# Altium PCB SOM_MCU_dual.PcbDoc (part 1 of 2) (continued)
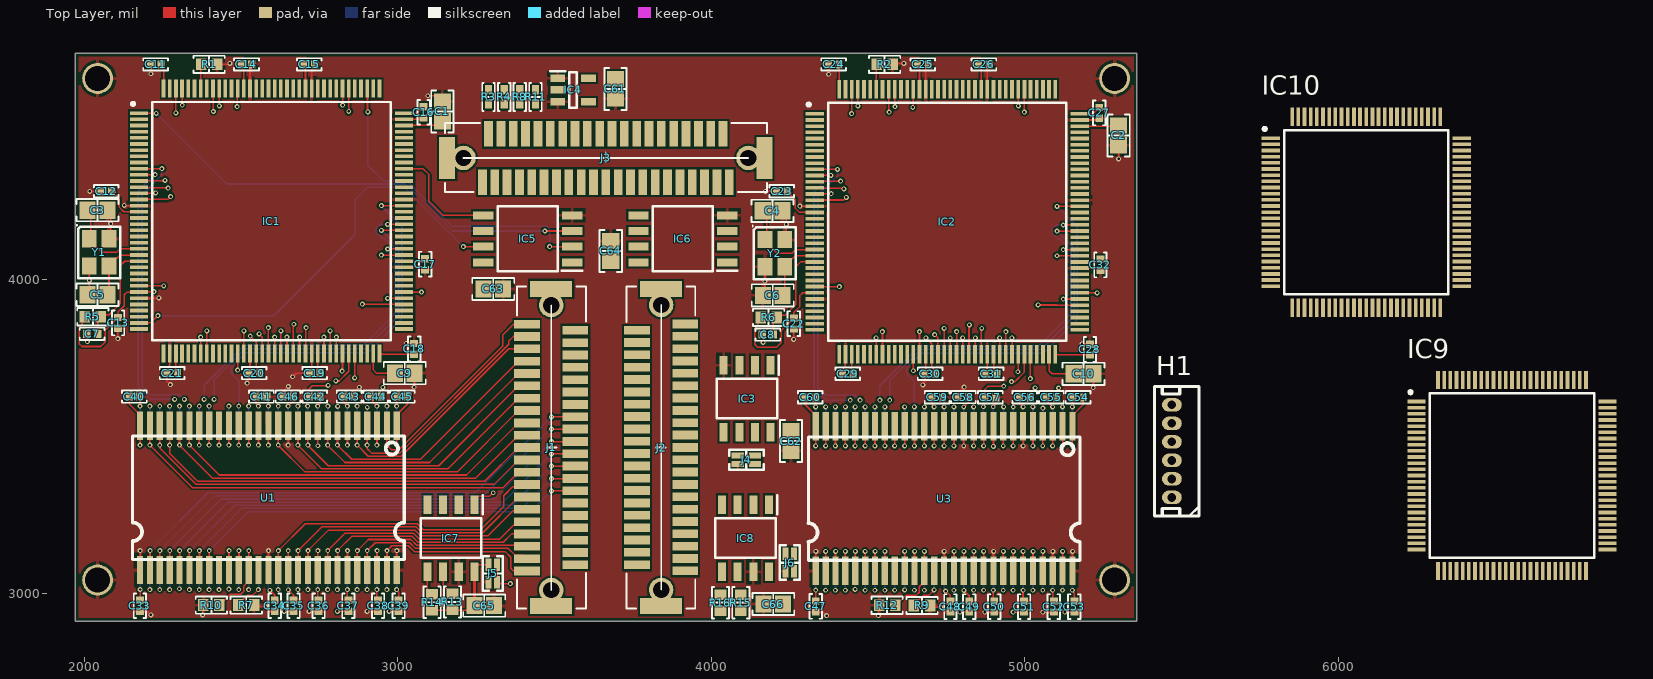
[diagram p0: Top Layer view]
## Part data
C1 C2 C9 C10: library part C0805C225K8RAC7800, "CAP CER 2.2UF 10V X7R 0805", Device Package="0805 (2012 Metric)", Manufacturer=KEMET, Operating Temperature="-55°C ~ 125°C", Supplier Part Number 1=399-C0805C225K8RAC7800CT-ND, Temperature Coefficient=X7R, Tolerance=±10%, Voltage - Rated=10V, Applications="Bypass, Decoupling", Capacitance="2.2 µF", ComponentLink1Description=Datasheet, ComponentLink1URL=https://api.kemet.com/component-edge/download/datasheet/C0805C225K8RACTU.pdf, ComponentLink2Description="DigiKey Link", ComponentLink2URL=https://www.digikey.com/en/products/detail/kemet/C0805C225K8RAC7800/789654, LastUpdated="3/27/2023 7:09:32 PM", Lifecycle Status=Active, Minimum Order=1, Mounting Type="Surface Mount, MLCC", Package / Case="0805 (2012 Metric)", Packaging=TapeAndReel, Part Number=C0805C225K8RAC7800, Part Status=Active, PartId=32363, Price=0.03, Series="SMD Comm X7R", Size / Dimension="0.079\" L x 0.049\" W (2.00mm x 1.25mm)", Supplier 1=DigiKey, Thickness (Max)="0.055\" (1.40mm)"
C3 C4 C5 C6: library part CBR08C909CAGAC, "CAP CER 9PF 250V C0G/NP0 0805", Device Package="0805 (2012 Metric)", Manufacturer=KEMET, Operating Temperature="-55°C ~ 125°C", Supplier Part Number 1=399-8711-1-ND, Temperature Coefficient="C0G, NP0", Tolerance=±0.25pF, Voltage - Rated=250V, Applications="RF, Microwave, High Frequency", Capacitance=9pF, ComponentLink1Description=Datasheet, ComponentLink1URL=https://api.kemet.com/component-edge/download/datasheet/CBR08C909CAGAC.pdf, ComponentLink2Description="DigiKey Link", ComponentLink2URL=http://digikey.com/product-detail/en/kemet/CBR08C909CAGAC/399-8711-1-ND/3480335, Features="High Q, Low Loss, Ultra Low ESR", LastUpdated="9/2/2020 1:04:31 AM", Lifecycle Status=Active, Minimum Order=1, Mounting Type="Surface Mount, MLCC", Package / Case="0805 (2012 Metric)", Packaging=TapeAndReel, Part Number=CBR08C909CAGAC, Part Status=Active, PartId=8592, Price=0.28, Series="CBR-SMD RF C0G", Size / Dimension="0.079\" L x 0.049\" W (2.00mm x 1.25mm)", Supplier 1=DigiKey, Thickness (Max)="0.035\" (0.88mm)"
C7 C8 C11 C12 C13 C14 C15 C16 C17 C18 C19 C20 C21 C22 C23 C24 C25 C26 C27 C28 C29 C30 C31 C32 C33 C34 C35 C36 C37 C38 C39 C40 C41 C42 C43 C44 C45 C46 C47 C48 C49 C50 C51 C52 C53 C54 C55 C56 C57 C58 C59 C60: library part C0402C104K4RACAUTO, "CAP CER 0.1UF 16V X7R 0402", Device Package="0402 (1005 Metric)", Manufacturer=KEMET, Operating Temperature="-55°C ~ 125°C", Ratings=AEC-Q200, Supplier Part Number 1=399-6828-1-ND, Temperature Coefficient=X7R, Tolerance=±10%, Voltage - Rated=16V, Applications="Automotive, Bypass, Decoupling", Capacitance=0.1µF, ComponentLink1Description=Datasheet, ComponentLink1URL=https://api.kemet.com/component-edge/download/specsheet/C0402C104K4RACAUTO.pdf, ComponentLink2Description="DigiKey Link", ComponentLink2URL=http://digikey.com/product-detail/en/kemet/C0402C104K4RACAUTO/399-6828-1-ND/3314343, LastUpdated="9/2/2020 1:02:21 AM", Lifecycle Status=Active, Minimum Order=1, Mounting Type="Surface Mount, MLCC", Package / Case="0402 (1005 Metric)", Packaging=TapeAndReel, Part Number=C0402C104K4RACAUTO, Part Status=Active, PartId=3024, Price=0.01, Series="SMD Auto X7R", Size / Dimension="0.039\" L x 0.020\" W (1.00mm x 0.50mm)", Supplier 1=DigiKey, Thickness (Max)="0.022\" (0.55mm)"
C61 C62 C63 C64 C65 C66: library part C0805C106K8PAC7800, "CAP CER 10UF 10V X5R 0805", Device Package="0805 (2012 Metric)", Manufacturer=KEMET, Operating Temperature="-55°C ~ 85°C", Supplier Part Number 1=399-C0805C106K8PAC7800CT-ND, Temperature Coefficient=X5R, Tolerance=±10%, Voltage - Rated=10V, Applications="Bypass, Decoupling", Capacitance="10 µF", ComponentLink1Description=Datasheet, ComponentLink1URL=https://connect.kemet.com:7667/gateway/IntelliData-ComponentDocumentation/1.0/download/datasheet/C0805C106K8PACTU, ComponentLink2Description="DigiKey Link", ComponentLink2URL=https://www.digikey.com/en/products/detail/kemet/C0805C106K8PAC7800/1090830, LastUpdated="9/19/2022 1:03:23 PM", Lifecycle Status=Active, Minimum Order=1, Mounting Type="Surface Mount, MLCC", Package / Case="0805 (2012 Metric)", Packaging=TapeAndReel, Part Number=C0805C106K8PAC7800, Part Status=Active, PartId=44790, Price=0.02, Series="SMD Comm X5R", Size / Dimension="0.079\" L x 0.049\" W (2.00mm x 1.25mm)", Supplier 1=DigiKey, Thickness (Max)="0.055\" (1.40mm)"
H1: "Pin Header p=1.5mm, 6 pins"
IC1 IC2: "Integrated Circuit", Manufacturer_Name=STMicroelectronics, Mouser Part Number=N/A, Datasheet Link=https://componentsearchengine.com/Datasheets/1/STM32H743ZIT6U.pdf, Height=1.6mm, Manufacturer_Part_Number=STM32H743ZIT6U, Mouser Price/Stock=https://www.mouser.co.uk/ProductDetail/STMicroelectronics/STM32H743ZIT6U?qs=PzGy0jfpSMtTUBlZwwPqMQ%3D%3D
IC3: "Integrated Circuit", Manufacturer_Name="Lyontek Inc.", Datasheet Link=https://datasheet.lcsc.com/szlcsc/Lyontek-Inc-LY68L6400SLIT_C261881.pdf, Height=1.75mm, Manufacturer_Part_Number=LY68L6400SLIT
IC4: "Integrated Circuit", Manufacturer_Name="Texas Instruments", Mouser Part Number=595-SN74LVC1G125DBVR, Arrow Part Number=SN74LVC1G125DBVR, Arrow Price/Stock=https://www.arrow.com/en/products/sn74lvc1g125dbvr/texas-instruments?region=nac, Datasheet Link=http://www.ti.com/lit/ds/symlink/sn74lvc1g125.pdf, Height=1.45mm, Manufacturer_Part_Number=SN74LVC1G125DBVR, Mouser Price/Stock=https://www.mouser.co.uk/ProductDetail/Texas-Instruments/SN74LVC1G125DBVR?qs=dT9u2OTAaVWCjkJK89JQQg%3D%3D
IC5 IC6: "Integrated Circuit", Manufacturer_Name=Micron, Mouser Part Number=340-182267, Arrow Part Number=N25Q128A13ESE40F, Arrow Price/Stock=https://www.arrow.com/en/products/n25q128a13ese40f/micron-technology, Datasheet Link=https://datasheet.datasheetarchive.com/originals/distributors/Datasheets-DGA23/1494983.pdf, Height=2.16mm, Manufacturer_Part_Number=N25Q128A13ESE40F, Mouser Price/Stock=https://www.mouser.co.uk/ProductDetail/Micron/N25Q128A13ESE40F?qs=taEdVNyAfdHw8xv9Y4zfpQ%3D%3D
IC7 IC8: "Integrated Circuit", Manufacturer_Name=Microchip, Mouser Part Number=556-A24C128BNSH-B, Datasheet Link=https://componentsearchengine.com/Datasheets/1/AT24C128BN-SH-B.pdf, Height=1.75mm, Manufacturer_Part_Number=AT24C128BN-SH-B, Mouser Price/Stock=https://www.mouser.co.uk/ProductDetail/Microchip-Technology-Atmel/AT24C128BN-SH-B?qs=j6lVIf5KywAfpl9r4qbAuQ%3D%3D
IC9 IC10: "Integrated Circuit", Manufacturer_Name=STMicroelectronics, Mouser Part Number=511-STM32H750VBT6, Arrow Part Number=STM32H750VBT6, Arrow Price/Stock=https://www.arrow.com/en/products/stm32h750vbt6/stmicroelectronics?region=nac, Datasheet Link=https://www.st.com/resource/en/datasheet/stm32h750vb.pdf, Height=1.6mm, Manufacturer_Part_Number=STM32H750VBT6, Mouser Price/Stock=https://www.mouser.co.uk/ProductDetail/STMicroelectronics/STM32H750VBT6?qs=%252BEew9%252B0nqrBAeuu%2FsQQSzQ%3D%3D
J1 J2 J3: "Connector", Arrow Part Number=DF9-41P-1V(32), Manufacturer_Name=Hirose, Mouser Part Number=798-DF9-41P-1V32, Arrow Price/Stock=https://www.arrow.com/en/products/df9-41p-1v-32/hirose-electric, Datasheet Link=http://componentsearchengine.com/Datasheets/1/DF9-41P-1V(32).pdf, Manufacturer_Part_Number=DF9-41P-1V(32), Mouser Price/Stock=https://www.mouser.co.uk/ProductDetail/Hirose-Connector/DF9-41P-1V32?qs=zOgoZG1CgI%252BzVCgniEkwOw%3D%3D
J4 J5 J6: library part Jumper_double, CommentText="\"Перемычка\""
R1 R2 R5 R6 R7 R9 R10 R12: library part RT0603FRE0710KL, "RES SMD 10K OHM 1% 1/10W 0603", Device Package="0603 (1608 Metric)", Manufacturer=Yageo, Operating Temperature="-55°C ~ 155°C", Power (Watts)="0.1W, 1/10W", Supplier Device Package=0603, Supplier Part Number 1=YAG2321CT-ND, Temperature Coefficient=±50ppm/°C, Tolerance=±1%, ComponentLink1Description=Datasheet, ComponentLink1URL=https://www.yageo.com/upload/media/product/productsearch/datasheet/rchip/PYu-RT_1-to-0.01_RoHS_L_11.pdf, ComponentLink2Description="DigiKey Link", ComponentLink2URL=http://digikey.com/product-detail/en/yageo/RT0603FRE0710KL/YAG2321CT-ND/5252435, Composition="Thin Film", Height - Seated (Max)="0.022\" (0.55mm)", LastUpdated="9/2/2020 1:10:23 AM", Lifecycle Status=Active, Minimum Order=1, Number of Terminations=2, Package / Case="0603 (1608 Metric)", Packaging=TapeAndReel, Part Number=RT0603FRE0710KL, Part Status=Active, PartId=5671, Price=0.01, Resistance="10 kOhms", Series=RT, Size / Dimension="0.063\" L x 0.031\" W (1.60mm x 0.80mm)", Supplier 1=DigiKey
R3 R4 R8 R11: library part RT0402FRE07100RL, "RES SMD 100 OHM 1% 1/16W 0402", Device Package="0402 (1005 Metric)", Manufacturer=Yageo, Operating Temperature="-55°C ~ 155°C", Power (Watts)="0.063W, 1/16W", Supplier Device Package=0402, Supplier Part Number 1=YAG3342CT-ND, Temperature Coefficient=±50ppm/°C, Tolerance=±1%, ComponentLink1Description=Datasheet, ComponentLink1URL=https://www.yageo.com/upload/media/product/productsearch/datasheet/rchip/PYu-RT_1-to-0.01_RoHS_L_11.pdf, ComponentLink2Description="DigiKey Link", ComponentLink2URL=http://digikey.com/product-detail/en/yageo/RT0402FRE07100RL/YAG3342CT-ND/5418047, Composition="Thin Film", Height - Seated (Max)="0.014\" (0.35mm)", LastUpdated="9/2/2020 1:08:09 AM", Lifecycle Status=Active, Minimum Order=1, Number of Terminations=2, Package / Case="0402 (1005 Metric)", Packaging=TapeAndReel, Part Number=RT0402FRE07100RL, Part Status=Active, PartId=3193, Price=0.01, Resistance="100 Ohms", Series=RT, Size / Dimension="0.039\" L x 0.020\" W (1.00mm x 0.50mm)", Supplier 1=DigiKey
R13 R14 R15 R16: library part RT0603DRE075K6L, "RES SMD 5.6K OHM 0.5% 1/10W 0603", Device Package="0603 (1608 Metric)", Manufacturer=Yageo, Operating Temperature="-55°C ~ 155°C", Power (Watts)="0.1W, 1/10W", Supplier Device Package=0603, Supplier Part Number 1=311-2635-1-ND, Temperature Coefficient=±50ppm/°C, Tolerance=±0.5%, ComponentLink1Description=Datasheet, ComponentLink1URL=https://www.yageo.com/upload/media/product/productsearch/datasheet/rchip/PYu-RT_1-to-0.01_RoHS_L_11.pdf, ComponentLink2Description="DigiKey Link", ComponentLink2URL=http://digikey.com/product-detail/en/yageo/RT0603DRE075K6L/311-2635-1-ND/6129054, Composition="Thin Film", Height - Seated (Max)="0.022\" (0.55mm)", LastUpdated="9/2/2020 1:10:05 AM", Lifecycle Status=Active, Minimum Order=1, Number of Terminations=2, Package / Case="0603 (1608 Metric)", Packaging=TapeAndReel, Part Number=RT0603DRE075K6L, Part Status=Active, PartId=14197, Price=0.01, Resistance="5.6 kOhms", Series=RT, Size / Dimension="0.063\" L x 0.031\" W (1.60mm x 0.80mm)", Supplier 1=DigiKey
Y1 Y2: library part NX3225SA-24MHZ-EXS00A-CS07532, "CRYSTAL 24MHZ 9PF SMD", ESR (Equivalent Series Resistance)="100 Ohms", Load Capacitance=9pF, Manufacturer="NDK America, Inc.", Operating Mode=Fundamental, Operating Temperature="-40°C ~ 150°C", Package / Case="4-SMD, No Lead", Ratings=AEC-Q200, Supplier Part Number 1=644-1393-1-ND, ComponentLink2Description="DigiKey Link", ComponentLink2URL=http://digikey.com/product-detail/en/ndk-america-inc/NX3225SA-24MHZ-EXS00A-CS07532/644-1393-1-ND/9172121, Frequency=24MHz, Height - Seated (Max)="0.024\" (0.60mm)", LastUpdated="9/2/2020 1:21:59 AM", Lifecycle Status=Active, Minimum Order=1, Mounting Type="Surface Mount", Packaging=TapeAndReel, Part Number=NX3225SA-24MHZ-EXS00A-CS07532, Part Status=Active, PartId=571, Price=0.38, Series=NX3225SA, Size / Dimension="0.126\" L x 0.098\" W (3.20mm x 2.50mm)", Supplier 1=DigiKey, Type="MHz Crystal"

## Free pads (board coordinates)
  round 98.43 hole 78.74: 7(2042.91,3041.61) 7(2042.91,4641.61) 7(5287.09,3041.61) 7(5287.09,4641.61)

## Via types
v1: diameter 15.75, hole 7.87, Top Layer to Bottom Layer, tented both sides, 210 vias
v2: diameter 15.75, hole 7.87, Top Layer to Bottom Layer, 157 vias

## Nets (pads, with @x,y where several pads share a name; then routed paths per layer and width w, separated by ;. In a path a pad name is that pad's centre, name@x,y a point inside that pad or via, vN(x,y) a via of type N, cw(c..) or ccw(c..) an arc to the next point about the centre after c; other vN are vias at no path point)
+3V3_D: C33.1 C34.1 C35.1 C36.1 C37.1 C38.1 C39.1 C40.1 C41.1 C42.1 C43.1 C44.1 C45.1 C46.1 C47.1 C48.1 C49.1 C50.1 C51.1 C52.1 C53.1 C54.1 C55.1 C56.1 C57.1 C58.1 C59.1 C60.1 U1.1 U1.3 U1.9 U1.14 U1.27 U1.43 U1.49 U2.1 U2.3 U2.9 U2.14 U2.27 U2.43 U2.49 U3.1 U3.3 U3.9 U3.14 U3.27 U3.43 U3.49 U4.1 U4.3 U4.9 U4.14 U4.27 U4.43 U4.49 | length 3897.8
  Top Layer w5: C40.1@2143.27,3626.61 2143.27,3604.21 2178.46,3569.02 U1.27@2178.46,3534.02 v1@2178.46,3472.17 ; C33.1@2177.13,2976.61 C33.1@2177.91,2976.61 2178.34,2977.04 v1(2178.34,3011.41) ; C41.1@2548.27,3626.61 2548.27,3604.01 v1(2556.17,3596.1) ; U1.14@2580.66,3577.09 2580.66,3541.52 U1.14@2588.16,3534.02 ; v1@2587.91,3472.17 U1.14@2587.91,3534.02 ; v1(2592.67,3008.62) 2607.91,2993.38 C34.1@2607.91,2976.61 ; v2(2637.91,2941.61) 2638.27,2941.97 C35.1@2667.91,2941.97 ; U1.43@2643.77,3066.25 U1.43@2650.91,3073.39 v1@2650.91,3135.23 ; v1(2650.66,3596.1) 2667.91,3613.36 C46.1@2667.91,3626.61 ; C42.1@2718.27,3626.61 2718.27,3651.97 2727.8,3661.5 2777.27,3661.5 v2(2778.07,3662.3) ; v1(2745.15,3011.3) 2745.15,2979.38 C36.1@2747.91,2976.61 ; v1(2745.41,3469.95) U1.9@2745.41,3569 ; v2(2807.91,2941.61) 2842.56,2941.61 C37.1@2842.91,2941.97 ; C43.1@2827.91,3626.61 2827.91,3607.83 v1(2839.64,3596.1) ; U1.49@2839.64,3073.14 v1@2839.64,3134.98 ; U1.49@2839.88,3038.39 v1@2839.88,3135.23 ; U1.49@2840.13,3073.63 v1(2840.13,3135.47) ; U1.49@2840.37,3073.38 v1@2840.37,3135.23 ; v1(2934.13,3011.3) 2934.13,2980.4 C38.1@2937.91,2976.61 ; v1(2934.13,3471.93) U1.3@2934.13,3533.77 ; v1@2934.37,3472.17 U1.3@2934.37,3569.02 ; v1@2934.62,3471.93 U1.3@2934.62,3534.2 ; v1@2934.86,3472.17 U1.3@2934.86,3534.01 ; C44.1@2947.56,3626.61 2947.56,3648.04 2953.07,3653.55 v2(2953.07,3656.46) ; v1(2997.12,3011.3) 2997.12,3009 3003.31,3002.82 C39.1@3003.31,2976.61 ; v1@2997.36,3472.17 U1.1@2997.36,3534.02 2997.36,3569.02 3032.56,3604.21 C45.1@3032.56,3626.61 ; C60.1@4298.72,3624.37 4298.72,3601.97 4333.92,3566.77 U3.27@4333.92,3531.83 v1@4333.92,3469.93 ; C47.1@4332.58,2974.37 4333.37,2974.37 C47.1@4333.85,2974.79 v1(4333.79,3009.17) ; C59.1@4703.72,3624.37 4703.72,3601.76 v1(4711.62,3593.86) ; U3.14@4736.11,3574.84 4736.11,3539.27 U3.14@4743.61,3531.77 ; v1@4743.37,3469.93 U3.14@4743.37,3531.83 ; v1(4748.12,3006.38) 4763.37,2991.13 C48.1@4763.43,2974.37 ; v2(4793.37,2939.37) 4793.72,2939.72 C49.1@4823.43,2939.72 ; U3.43@4799.22,3064.01 4806.36,3071.14 v1@4806.36,3132.98 ; v1(4806.11,3593.86) 4823.37,3611.11 C58.1@4823.37,3624.37 ; C57.1@4873.72,3624.37 4873.72,3649.72 4883.26,3659.26 4932.72,3659.26 v2(4933.52,3660.06) ; v1(4900.6,3009.05) 4900.6,2977.14 C50.1@4903.43,2974.37 ; v1(4900.86,3467.7) U3.9@4900.86,3566.75 ; v2(4963.37,2939.37) 4998.01,2939.37 C51.1@4998.43,2939.72 ; U3.49@4995.33,3036.14 v1@4995.33,3132.98 ; C56.1@5018.01,3624.37 5018.01,3639.02 v2(5033.37,3654.37) ; v1(5089.58,3009.05) 5089.58,2978.16 C52.1@5093.43,2974.37 ; v1@5089.82,3469.93 U3.3@5089.82,3566.77 ; C55.1@5103.01,3624.37 5103.01,3645.8 5108.52,3651.31 v2(5108.52,3654.21) ; v1(5152.57,3009.05) 5152.57,3006.76 5158.76,3000.57 C53.1@5158.82,2974.37 ; v1@5152.81,3469.93 U3.1@5152.81,3531.83 5152.81,3566.77 5188.01,3601.97 C54.1@5188.01,3624.37
  Mid-Layer 3 w5: 2631.99,3020.22 2635.21,3016.99 2635.21,2993.01 ; 2662.91,3031.61 2666.68,3027.85 2666.68,3005.03 2667.91,3003.8 2667.91,2991.61 ; 2822.91,2991.61 2824.12,2992.82 2824.12,3022.13 ; 2855.85,3028.68 2855.85,3017.75 2855.76,3017.67 2855.76,2993.77 2857.91,2991.61
  Bottom Layer w5: v1@2178.22,3011.3 v1(2178.34,3011.41) ; v1@2178.46,3011.54 U2.27@2178.46,3073.39 ; v1@2587.91,3011.54 U2.14@2587.91,3073.39 ; U2.43@2650.91,3534.02 v1@2650.91,3595.86 ; v1@2743.09,3009.24 v1(2745.15,3011.3) ; v1@2745.39,3011.54 U2.9@2745.39,3073.39 ; U2.49@2839.88,3534.02 v1@2839.88,3595.86 ; v1@2934.37,3011.54 U2.3@2934.37,3073.39 ; v1@2997.36,3011.54 U2.1@2997.36,3073.39 ; v1@4333.67,3009.05 v1(4333.79,3009.17) ; v1@4333.92,3009.3 U4.27@4333.92,3071.14 ; v1@4743.37,3009.3 U4.14@4743.37,3071.14 ; U4.43@4806.36,3531.83 v1@4806.36,3593.61 ; v1@4898.54,3007 v1(4900.6,3009.05) ; v1@4900.85,3009.3 U4.9@4900.85,3071.14 ; v1@5089.82,3009.3 U4.3@5089.82,3071.14 ; v1@5152.81,3009.3 U4.1@5152.81,3071.14
  other v1: 4806.6,3133.23 4995.58,3133.23 2651.15,3135.47 4333.67,3469.68 4743.12,3469.68 5089.58,3469.68 5152.57,3469.68 2178.22,3471.93 2587.67,3471.93 2997.12,3471.93
+MCU: C11.1 C12.1 C13.1 C14.1 C15.1 C16.1 C17.1 C18.1 C19.1 C20.1 C21.1 C22.1 C23.1 C24.1 C25.1 C26.1 C27.1 C28.1 C29.1 C30.1 C31.1 C32.1 IC1.17 IC1.30 IC1.39 IC1.52 IC1.62 IC1.72 IC1.84 IC1.108 IC1.121 IC1.131 IC1.144 IC2.17 IC2.30 IC2.39 IC2.52 IC2.62 IC2.72 IC2.84 IC2.108 IC2.121 IC2.131 IC2.144 R5.1 R6.1 | length 2649.4
  Top Layer w5: R5.1@2002.32,3881.61 1993.73,3873.02 1993.73,3856.43 1983.92,3846.61 1983.92,3795.61 1992.91,3786.61 2052.91,3786.61 2067.91,3801.61 2067.91,3839.55 2107.57,3879.21 C13.1@2108.36,3879.21 2108.36,3897.06 2127.91,3916.61 2127.91,3951.61 2136.54,3960.24 IC1.30@2175.16,3960.24 2175.99,3961.07 2221.86,3961.07 v2(2222.69,3961.9) ; C12.1@2097.91,4281.61 2097.91,4272.71 2112.54,4258.09 2112.54,4230.25 2126.17,4216.61 2174.69,4216.61 IC1.17@2175.16,4216.14 ; C11.1@2245.24,4686.61 2253.43,4678.43 IC1.144@2253.43,4609.37 ; IC1.39@2292.8,3763.86 2292.8,3706.73 C21.1@2297.91,3701.61 ; C14.1@2497.91,4696.61 2497.91,4695.83 2509.33,4684.41 IC1.131@2509.33,4609.37 ; v2(2530,3820) 2548.7,3801.3 IC1.52@2548.7,3763.86 2548.7,3724.51 2554.43,3718.78 2554.43,3707.42 C20.1@2560.24,3701.61 ; C15.1@2697.91,4696.61 2706.18,4688.35 IC1.121@2706.18,4609.37 ; IC1.62@2745.55,3763.86 2745.55,3712.09 2755.24,3702.4 C19.1@2755.24,3701.61 ; IC1.72@2942.4,3763.86 2944.29,3761.97 C18.1@3052.91,3761.97 ; IC1.84@3020.67,4058.66 3079.96,4058.66 C17.1@3087.91,4066.61 ; IC1.108@3020.67,4531.1 3061.97,4531.1 3082.13,4551.26 C16.1@3082.91,4551.26 ; R6.1@4157.83,3879.37 4149.24,3870.78 4149.24,3854.19 4139.43,3844.37 4139.43,3793.37 4148.43,3784.37 4208.43,3784.37 4223.43,3799.37 4223.43,3837.31 4263.08,3876.97 C22.1@4263.87,3876.97 4263.87,3894.82 4283.43,3914.37 4283.43,3949.37 4292.05,3957.99 IC2.30@4330.67,3957.99 ; C23.1@4253.43,4279.37 4253.43,4270.47 4268.05,4255.84 4268.05,4228 4281.68,4214.37 IC2.17@4330.2,4214.37 ; C24.1@4407.91,4686.61 4408.94,4685.59 IC2.144@4408.94,4607.13 ; IC2.39@4448.31,3761.61 4448.31,3704.49 C29.1@4453.43,3699.37 ; C25.1@4657.91,4686.61 4664.84,4679.69 IC2.131@4664.84,4607.13 ; v2(4685.51,3814.37) 4704.21,3795.67 IC2.52@4704.21,3758.23 ; IC2.52@4704.21,3761.61 4704.21,3722.27 4709.94,3716.54 4709.94,3705.18 C30.1@4715.75,3699.37 ; C26.1@4852.91,4686.61 4861.69,4677.83 IC2.121@4861.69,4607.13 ; IC2.62@4901.06,3761.61 4901.06,3709.84 4910.75,3700.16 C31.1@4910.75,3699.37 ; IC2.72@5099.8,3759.72 C28.1@5208.43,3759.72 ; IC2.84@5176.18,4056.42 C32.1@5235.47,4056.42 ; IC2.108@5176.18,4528.86 5217.48,4528.86 5237.64,4549.02 C27.1@5238.43,4549.02
A0: IC1.10 J1.23 U1.23 U2.23 | length 2905.7
  Top Layer w5: IC1.10@2175.16,4353.94 v2@2247.76,4353.94 ; v1(2304.2,3471.93) 2409.58,3366.55 3248.85,3366.55 3385.91,3503.61 J1.23@3412.91,3503.61 ; v1@2304.45,3472.17 2304.2,3472.42 2304.2,3533.77 U1.23@2304.45,3534.02
  Mid-Layer 3 w5: v1@2304.08,3011.3 v1(2304.08,3013.81) 2304.08,3104.86 2320.33,3121.1 2320.33,3449.84 2304.2,3465.96 v1(2304.2,3471.93) 2304.2,3477.63 2320.33,3493.75 2320.33,3617.62 v2(2320.04,3617.91)
  Bottom Layer w5: v2(2247.83,4354.02) 2247.83,4333.28 2184.98,4270.43 2184.98,3658.69 2210.39,3633.28 2304.66,3633.28 v2(2320.04,3617.91) ; v1@2304.45,3011.54 U2.23@2304.45,3073.39
A01: IC2.10 U3.23 U4.23 | length 1696.9
  Top Layer w5: IC2.10@4330.61,4351.69 IC2.10@4330.67,4351.69 v2@4403.21,4351.69 ; v1(4459.66,3469.68) 4459.9,3469.68 U3.23@4459.9,3531.83
  Mid-Layer 3 w5: v1@4459.53,3009.05 v1(4459.53,3011.56) 4459.53,3102.61 4475.78,3118.86 4475.78,3447.6 4459.66,3463.72 v1(4459.66,3469.68) 4459.66,3475.38 4475.78,3491.51 4475.78,3615.38 v2(4475.49,3615.67)
  Bottom Layer w5: v2(4403.29,4351.77) 4403.29,4331.03 4340.44,4268.18 4340.44,3656.44 4365.84,3631.04 4460.12,3631.04 v2(4475.49,3615.67) ; v1@4459.9,3009.3 U4.23@4459.9,3071.14
A1: IC1.11 J1.21 U1.24 U2.24 | length 2878.7
  Top Layer w5: IC1.11@2175.32,4334.41 2175.35,4334.45 2226.51,4334.45 v2(2226.7,4334.65) ; v1(2272.71,3471.93) U1.24@2272.71,3533.77 ; v1@2272.95,3471.68 2272.95,3445.25 2361.64,3356.55 3277.85,3356.55 3385.91,3464.61 J1.21@3412.91,3464.61
  Mid-Layer 3 w5: v1@2271.2,3009.79 v1(2272.71,3011.3) 2272.71,3104.98 2288.83,3121.1 2288.83,3449.84 2272.71,3465.96 v1(2272.71,3471.93) ; v1@2272.71,3477.63 2288.83,3493.75 2288.83,3617.62 v2(2288.54,3617.91)
  Bottom Layer w5: v2(2226.7,4334.65) 2225.94,4334.65 2172.91,4281.61 2172.91,3656.61 2211.62,3617.91 v2(2288.54,3617.91) ; v1@2272.95,3011.54 U2.24@2272.95,3073.39
A1_1: IC2.11 U3.24 U4.24 | length 1630.8
  Top Layer w5: IC2.11@4330.77,4332.17 4330.81,4332.2 4381.96,4332.2 v2(4382.16,4332.4) ; v1@4428.4,3469.93 U3.24@4428.41,3531.83
  Mid-Layer 3 w5: v1@4426.65,3007.54 v1(4428.16,3009.05) 4428.16,3102.74 4444.28,3118.86 4444.28,3447.6 4428.16,3463.72 v1(4428.16,3469.68) ; v1@4428.16,3475.38 4444.28,3491.51 4444.28,3615.38 v2(4443.99,3615.67)
  Bottom Layer w5: v2(4382.16,4332.4) 4381.4,4332.4 4328.37,4279.37 4328.37,3654.37 4367.07,3615.67 v2(4443.99,3615.67) ; v1@4428.4,3009.3 U4.24@4428.4,3071.14
A2: IC1.12 J1.19 U1.25 U2.25 | length 2845.5
  Top Layer w5: IC1.12@2175.16,4314.57 2176.18,4315.59 2256.89,4315.59 v2(2257.91,4316.61) ; U1.25@2241.46,3534.02 2241.21,3533.77 v1(2241.21,3471.93) 2242.5,3470.64 2242.5,3461.55 2357.5,3346.55 3307.85,3346.55 3385.91,3424.61 J1.19@3412.91,3424.61
  Mid-Layer 3 w5: v1(2241.21,3011.3) 2241.21,3104.98 2257.33,3121.1 2257.33,3449.84 2241.21,3465.96 v1(2241.21,3471.93) ; v1@2241.21,3477.63 2257.33,3493.75 2257.33,3789.52 2319.3,3851.49 2319.3,4265.23 2275.55,4308.98 2265.55,4308.98 v2(2257.91,4316.61)
  Bottom Layer w5: v1@2241.46,3011.54 U2.25@2241.46,3073.39
A3: IC1.13 J1.17 U1.26 U2.26 | length 2841.4
  Top Layer w5: IC1.13@2175.32,4295.04 2177.11,4293.25 2266.28,4293.25 v2(2267.91,4291.61) ; v1(2209.72,3471.93) U1.26@2209.72,3533.77 ; v1@2209.96,3471.93 2209.96,3471.68 2345.09,3336.55 3336.85,3336.55 3385.91,3385.61 J1.17@3412.91,3385.61
  Mid-Layer 3 w5: v1(2209.72,3011.3) 2209.72,3104.98 2225.84,3121.1 2225.84,3449.84 2209.72,3465.96 v1(2209.72,3471.93) ; v1@2209.72,3477.63 2225.84,3493.75 2225.84,3786.31 2299.3,3859.77 2299.3,4219.37 2260.48,4258.19 2260.48,4270.92 2267.91,4278.36 v2(2267.91,4291.61)
  Bottom Layer w5: v1@2209.96,3011.54 U2.26@2209.96,3073.39
A4: IC1.14 J1.26 U1.29 U2.29 | length 3046.9
  Top Layer w5: IC1.14@2175.16,4275.2 2175.87,4275.91 2227.2,4275.91 v2(2227.91,4276.61) ; U1.29@2209.96,3073.39 2209.96,3135.23 v1(2210.21,3135.47) U1.29@2210.21,3073.63 ; U1.29@2210.45,3073.38 v1@2210.45,3135.23 ; v2(3490.55,3562.17) J1.26@3566.46,3562.17
  Mid-Layer 3 w5: v1(2210.21,3135.47) 2210.21,3449.7 2194.34,3465.56 2194.34,3479.61 2210.21,3495.47 2210.21,3595.61 v1(2209.72,3596.1) 2209.72,3784.33 2289.3,3863.92 2289.3,4215.23 v2(2227.91,4276.61)
  Bottom Layer w5: U2.29@2209.96,3534.02 v1@2209.96,3595.86 ; v1(2210.21,3135.47) 2394.73,3320 3248.39,3320 v2(3490.55,3562.17)
A5: IC1.15 J1.24 U1.30 U2.30 | length 2897.7
  Top Layer w5: IC1.15@2175.32,4255.67 2175.71,4256.06 2267.36,4256.06 v2(2275.86,4264.56) ; U1.30@2241.46,3073.39 v1@2241.46,3135.23 ; v2(3490.55,3523.17) J1.24@3566.46,3523.17
  Mid-Layer 3 w5: v1(2241.7,3135.47) 2241.7,3449.7 2225.84,3465.56 2225.84,3479.61 2241.7,3495.47 2241.7,3595.61 v1(2241.21,3596.1) 2241.21,3787.54 2309.3,3855.63 2309.3,4231.11 v2(2275.86,4264.56)
  Bottom Layer w5: U2.30@2241.46,3534.02 v1@2241.46,3595.86 ; v1(2241.7,3135.47) 2416.23,3310 3273.26,3310 3482.62,3519.36 3483.84,3519.36 3487.65,3523.17 v2(3490.55,3523.17)
A6: IC1.50 J1.22 U1.31 U2.31 | length 2598.5
  Top Layer w5: U1.31@2272.95,3073.39 v1@2272.95,3135.23 ; U1.31@2273.2,3073.63 v1(2273.2,3135.47) ; U1.31@2273.44,3073.38 v1@2273.44,3135.23 ; IC1.50@2509.49,3763.7 v2@2509.49,3836.3 ; v2(3490.55,3483.17) J1.22@3566.46,3483.17
  Mid-Layer 3 w5: v1(2273.2,3135.47) 2273.2,3449.7 2257.33,3465.56 2257.33,3479.61 2273.2,3495.47 2273.2,3595.61 v1(2272.71,3596.1) 2272.71,3627.44 2437.93,3792.66 2487.44,3792.66 2509.41,3814.64 v2(2509.41,3836.38)
  Bottom Layer w5: U2.31@2272.95,3534.02 v1@2272.95,3595.86 ; v1(2273.2,3135.47) 2437.73,3300 3307.39,3300 v2(3490.55,3483.17)
A7: IC1.53 J1.20 U1.32 U2.32 | length 2567.5
  Top Layer w5: U1.32@2304.45,3073.39 v1@2304.45,3135.23 ; U1.32@2304.69,3073.63 v1(2304.69,3135.47) ; U1.32@2304.94,3073.38 v1@2304.94,3135.23 ; v2(2557.97,3826.64) 2568.15,3816.46 2568.15,3764.09 IC1.53@2568.39,3763.86 ; v2(3490.55,3444.17) J1.20@3566.46,3444.17
  Mid-Layer 3 w5: v1(2304.69,3135.47) 2304.69,3449.7 2288.83,3465.56 2288.83,3479.61 2304.69,3495.47 2304.69,3595.61 v1(2304.2,3596.1) 2304.2,3644.79 2442.08,3782.66 2533.96,3782.66 2557.91,3806.61 2557.91,3826.59 v2(2557.97,3826.64)
  Bottom Layer w5: U2.32@2304.45,3534.02 v1@2304.45,3595.86 ; v1(2304.69,3135.47) 2459.22,3290 3336.39,3290 v2(3490.55,3444.17)
A8: IC1.54 J1.18 U1.33 U2.33 | length 2436.1
  Top Layer w5: U1.33@2335.94,3073.39 v1@2335.95,3135.23 ; v2(2587.91,3846.61) 2587.99,3846.54 2587.99,3763.94 IC1.54@2588.07,3763.86 ; v2(3490.55,3405.17) J1.18@3566.46,3405.17
  Mid-Layer 3 w5: v1(2336.19,3135.47) 2336.19,3449.7 2320.33,3465.56 2320.33,3479.61 2336.19,3495.47 2336.19,3595.61 v1(2335.7,3596.1) 2335.7,3662.14 2446.22,3772.66 2546.41,3772.66 2577.41,3803.66 2577.41,3836.11 v2(2587.91,3846.61)
  Bottom Layer w5: U2.33@2335.94,3534.02 v1@2335.95,3595.86 ; v1(2336.19,3135.47) 2480.72,3280 3365.39,3280 v2(3490.55,3405.17)
A9: IC1.55 J1.16 U1.34 U2.34 | length 2451.5
  Top Layer w5: U1.34@2367.44,3073.39 v1@2367.44,3135.23 ; U1.34@2367.69,3073.63 v1(2367.69,3135.47) ; U1.34@2367.93,3073.38 v1@2367.93,3135.23 ; IC1.55@2607.76,3763.86 v2@2607.76,3816.14 ; v2(3490.55,3365.17) J1.16@3566.46,3365.17
  Mid-Layer 3 w5: v1(2367.69,3135.47) 2367.69,3449.7 2351.82,3465.56 2351.82,3479.61 2367.69,3495.47 2367.69,3595.61 v1(2367.2,3596.1) 2367.2,3665.36 2454.5,3752.66 2563.96,3752.66 2607.52,3796.22 v2(2607.52,3816.38)
  Bottom Layer w5: U2.34@2367.44,3534.02 v1@2367.44,3595.86 ; v1(2367.69,3135.47) 2502.21,3270 3395.39,3270 v2(3490.55,3365.17)
A10: IC1.56 J1.25 U1.22 U2.22 | length 2411.3
  Top Layer w5: U1.22@2335.94,3534.02 2335.7,3533.77 2335.7,3472.17 2335.95,3471.93 2335.95,3471.68 2431.07,3376.55 3219.85,3376.55 3385.91,3542.61 J1.25@3412.91,3542.61 ; IC1.56@2627.6,3763.7 v2@2627.6,3836.3
  Mid-Layer 3 w5: v1(2335.7,3011.3) 2335.7,3104.98 2351.82,3121.1 2351.82,3449.84 2335.7,3465.96 v1(2335.7,3471.93) ; v1@2335.7,3477.63 2351.82,3493.75 2351.82,3664.12 2450.36,3762.66 2551.26,3762.66 2591.45,3802.85 2591.45,3828.41 2599.42,3836.38 v2(2627.52,3836.38)
  Bottom Layer w5: v1@2335.95,3011.54 U2.22@2335.94,3073.39
A11: IC1.57 J1.14 U1.35 U2.35 | length 2410.1
  Top Layer w5: U1.35@2398.94,3073.39 v1@2398.94,3135.23 ; U1.35@2399.18,3073.63 v1(2399.18,3135.47) ; U1.35@2399.43,3073.38 v1@2399.43,3135.23 ; IC1.57@2647.13,3763.86 v2@2647.13,3816.14 ; v2(3490.55,3326.17) J1.14@3566.46,3326.17
  Mid-Layer 3 w5: v1(2399.18,3135.47) 2399.18,3449.7 2383.32,3465.56 2383.32,3479.61 2399.18,3495.47 2399.18,3595.61 v1(2398.69,3596.1) 2398.69,3682.71 2458.64,3742.66 2573.17,3742.66 v2(2646.89,3816.38)
  Bottom Layer w5: U2.35@2398.94,3534.02 v1@2398.94,3595.86 ; v1(2399.18,3135.47) 2523.71,3260 3424.39,3260 v2(3490.55,3326.17)
A21: IC2.12 U3.25 U4.25 | length 1583.9
  Top Layer w5: IC2.12@4330.61,4312.32 4331.63,4313.35 4412.34,4313.35 v2(4413.37,4314.37) ; v1@4396.91,3469.93 U3.25@4396.91,3531.83
  Mid-Layer 3 w5: v1(4396.66,3009.05) 4396.66,3102.74 4412.79,3118.86 4412.79,3447.6 4396.66,3463.72 v1(4396.66,3469.68) ; v1@4396.66,3475.38 4412.79,3491.51 4412.79,3787.28 4474.75,3849.24 4474.75,4262.98 4431.01,4306.73 4421.01,4306.73 v2(4413.37,4314.37)
  Bottom Layer w5: v1@4396.91,3009.3 U4.25@4396.91,3071.14
A31: IC2.13 U3.26 U4.26 | length 1561.9
  Top Layer w5: IC2.13@4330.77,4292.8 4332.56,4291 4421.73,4291 v2(4423.37,4289.37) ; v1@4365.41,3469.93 U3.26@4365.41,3531.83
  Mid-Layer 3 w5: v1(4365.17,3009.05) 4365.17,3102.74 4381.29,3118.86 4381.29,3447.6 4365.17,3463.72 v1(4365.17,3469.68) ; v1@4365.17,3475.38 4381.29,3491.51 4381.29,3784.07 4454.75,3857.53 4454.75,4217.13 4415.93,4255.94 4415.93,4268.68 4423.37,4276.11 v2(4423.37,4289.37)
  Bottom Layer w5: v1@4365.41,3009.3 U4.26@4365.41,3071.14
A41: IC2.14 U3.29 U4.29 | length 1390.3
  Top Layer w5: IC2.14@4330.61,4272.95 4331.32,4273.66 4382.66,4273.66 v2(4383.37,4274.37) ; U3.29@4365.41,3071.14 4365.41,3132.98 v1(4365.66,3133.23)
  Mid-Layer 3 w5: v1(4365.66,3133.23) 4365.66,3447.45 4349.79,3463.32 4349.79,3477.36 4365.66,3493.23 4365.66,3593.37 v1(4365.17,3593.86) 4365.17,3782.09 4444.75,3861.67 4444.75,4212.98 v2(4383.37,4274.37)
  Bottom Layer w5: U4.29@4365.41,3531.83 v1@4365.41,3593.61
A51: IC2.15 U3.30 U4.30 | length 1412.8
  Top Layer w5: IC2.15@4330.77,4253.43 4331.16,4253.82 4422.81,4253.82 v2(4431.31,4262.31) ; U3.30@4396.91,3071.2 v1@4396.91,3133.47
  Mid-Layer 3 w5: v1(4397.15,3133.23) 4397.15,3447.45 4381.29,3463.32 4381.29,3477.36 4397.15,3493.23 4397.15,3593.37 v1(4396.66,3593.86) 4396.66,3785.3 4464.75,3853.39 4464.75,4228.87 v2(4431.31,4262.31)
  Bottom Layer w5: U4.30@4396.91,3531.83 v1@4396.91,3593.61
A61: IC2.50 U3.31 U4.31 | length 1037.6
  Top Layer w5: U3.31@4428.4,3071.14 v1@4428.4,3132.98 ; IC2.50@4664.94,3761.46 v2(4664.86,3834.13)
  Mid-Layer 3 w5: v1(4428.65,3133.23) 4428.65,3447.45 4412.79,3463.32 4412.79,3477.36 4428.65,3493.23 4428.65,3593.37 v1(4428.16,3593.86) 4428.16,3625.19 4593.39,3790.42 4642.89,3790.42 4664.86,3812.39 v2(4664.86,3834.13)
  Bottom Layer w5: U4.31@4428.41,3531.83 v1@4428.41,3593.61
A71: IC2.53 U3.32 U4.32 | length 1054.4
  Top Layer w5: U3.32@4459.9,3071.2 v1@4459.9,3133.23 ; v2(4713.37,3824.37) 4723.6,3814.13 4723.6,3761.85 IC2.53@4723.84,3761.61
  Mid-Layer 3 w5: v1(4460.15,3133.23) 4460.15,3447.45 4444.28,3463.32 4444.28,3477.36 4460.15,3493.23 4460.15,3593.37 v1(4459.66,3593.86) 4459.66,3642.55 4597.53,3780.42 4689.41,3780.42 4713.37,3804.37 v2(4713.37,3824.37)
  Bottom Layer w5: U4.32@4459.9,3531.83 v1@4459.9,3593.61
A81: IC2.54 U3.33 U4.33 | length 1094.2
  Top Layer w5: U3.33@4491.4,3071.14 v1@4491.4,3132.98 ; v2(4743.37,3844.37) 4743.44,3844.29 4743.44,3761.69 IC2.54@4743.52,3761.61
  Mid-Layer 3 w5: v1(4491.64,3133.23) 4491.64,3447.45 4475.78,3463.32 4475.78,3477.36 4491.64,3493.23 4491.64,3593.37 v1(4491.15,3593.86) 4491.15,3659.9 4601.67,3770.42 4701.86,3770.42 4732.87,3801.42 4732.87,3833.87 v2(4743.37,3844.37)
  Bottom Layer w5: U4.33@4491.4,3531.83 v1@4491.4,3593.61
A91: IC2.55 U3.34 U4.34 | length 1034.1
  Top Layer w5: U3.34@4522.89,3071.2 v1@4522.89,3133.23 ; IC2.55@4763.21,3761.61 v2@4763.21,3813.9
  Mid-Layer 3 w5: v1(4523.14,3133.23) 4523.14,3447.45 4507.27,3463.32 4507.27,3477.36 4523.14,3493.23 4523.14,3593.37 v1(4522.65,3593.86) 4522.65,3663.11 4609.95,3750.42 4719.41,3750.42 4762.97,3793.98 v2(4762.97,3814.13)
  Bottom Layer w5: U4.34@4522.89,3531.83 v1@4522.89,3593.61
A101: IC2.56 U3.22 U4.22 | length 1225.5
  Top Layer w5: v1@4491.4,3469.93 U3.22@4491.4,3531.83 ; IC2.56@4783.05,3761.46 v2@4783.05,3834.06
  Mid-Layer 3 w5: v1(4491.15,3009.05) 4491.15,3102.74 4507.27,3118.86 4507.27,3447.6 4491.15,3463.72 v1(4491.15,3469.68) ; v1@4491.15,3475.38 4507.27,3491.51 4507.27,3661.88 4605.81,3760.42 4706.71,3760.42 4746.9,3800.61 4746.9,3826.16 4754.87,3834.13 v2(4782.97,3834.13)
  Bottom Layer w5: v1@4491.4,3009.3 U4.22@4491.4,3071.14
A111: IC2.57 U3.35 U4.35 | length 1040.4
  Top Layer w5: U3.35@4554.39,3071.14 v1@4554.39,3133.23 ; IC2.57@4802.64,3761.61 v2@4802.58,3813.9
  Mid-Layer 3 w5: v1(4554.63,3133.23) 4554.63,3447.45 4538.77,3463.32 4538.77,3477.36 4554.63,3493.23 4554.63,3593.37 v1(4554.14,3593.86) 4554.14,3680.47 4614.1,3740.42 4728.63,3740.42 v2(4802.34,3814.13)
  Bottom Layer w5: U4.35@4554.39,3531.83 v1@4554.39,3593.61
BA0: IC1.89 U1.20 U2.20 | length 1909.2
  Top Layer w5: v1(2398.69,3471.93) U1.20@2398.69,3533.77 ; v1@2398.94,3472.17 U1.20@2398.94,3534.02 ; v2@2948.07,4157.09 IC1.89@3020.67,4157.09
  Mid-Layer 3 w5: v1(2398.69,3011.3) 2398.69,3104.98 2414.81,3121.1 2414.81,3449.84 2398.69,3465.96 v1(2398.69,3471.93) ; v1@2398.69,3474.64 2414.81,3490.77 v2@2414.81,3614.64
  Bottom Layer w5: v1@2398.94,3011.54 U2.20@2398.94,3073.39 ; v2(2414.52,3617.91) 2414.52,3680.38 2514.14,3780 2897.91,3780 3002.91,3885 3002.91,4102.09 v2(2947.99,4157.01)
BA01: IC2.89 U3.20 U4.20 | length 1847.3
  Top Layer w5: v1@4554.39,3469.93 U3.20@4554.39,3531.83 ; v2@5103.52,4154.84 IC2.89@5176.12,4154.84
  Mid-Layer 3 w5: v1(4554.14,3009.05) 4554.14,3102.74 4570.27,3118.86 4570.27,3447.6 4554.14,3463.72 v1(4554.14,3469.68) ; v1@4554.14,3472.4 4570.27,3488.52 v2@4570.27,3612.39
  Bottom Layer w5: v1@4554.39,3009.3 U4.20@4554.39,3071.14 ; v2@4569.73,3615.91 4569.73,3678.38 4669.35,3778 5053.12,3778 5158.12,3883 5158.12,4100.09 v2@5103.2,4155.01
  other v2: 4569.98,3615.67 5103.44,4154.76
BA1: IC1.90 U1.21 U2.21 | length 1948.6
  Top Layer w5: v1(2367.2,3471.93) U1.21@2367.2,3533.77 ; v1@2367.44,3472.17 U1.21@2367.44,3534.02 ; v2@2968.23,4176.61 IC1.90@3020.51,4176.61
  Mid-Layer 3 w5: v1(2367.2,3011.3) 2367.2,3104.98 2383.32,3121.1 2383.32,3449.84 2367.2,3465.96 v1(2367.2,3471.93) ; v1@2367.2,3477.63 2383.32,3493.75 v2@2383.32,3617.62
  Bottom Layer w5: v1@2367.44,3011.54 U2.21@2367.44,3073.39 ; v2(2383.03,3617.91) 2383.03,3663.03 2510,3790 2890,3790 2992.91,3892.91 2992.91,4096.61 2957.91,4131.61 2951.64,4131.61 2932.62,4150.64 2932.62,4163.38 2945.62,4176.38 v2(2967.99,4176.38)
BA11: IC2.90 U3.21 U4.21 | length 1886.7
  Top Layer w5: v1@4522.89,3469.93 U3.21@4522.89,3531.83 ; v2@5123.68,4174.37 IC2.90@5175.96,4174.37
  Mid-Layer 3 w5: v1(4522.65,3009.05) 4522.65,3102.74 4538.77,3118.86 4538.77,3447.6 4522.65,3463.72 v1(4522.65,3469.68) ; v1@4522.65,3475.38 4538.77,3491.51 v2@4538.77,3615.38
  Bottom Layer w5: v1@4522.89,3009.3 U4.21@4522.89,3071.14 ; v2@4538.24,3615.91 4538.24,3661.03 4665.21,3788 5045.21,3788 5148.12,3890.92 5148.12,4094.62 5113.12,4129.62 5106.85,4129.62 5087.82,4148.64 5087.82,4161.38 5100.83,4174.38 v2@5123.2,4174.38
  other v2: 4538.48,3615.67 5123.44,4174.13
D0: IC1.85 J1.41 U1.2 U2.2 | length 2108.1
  Top Layer w5: v2@2948.07,4078.35 IC1.85@3020.67,4078.35 ; v1(2965.62,3471.93) 2981,3456.55 3003.49,3456.55 3335,3788.07 3335,3823.2 3369.41,3857.61 J1.41@3412.91,3857.61 ; v1@2965.87,3472.17 2965.62,3472.42 2965.62,3533.77 U1.2@2965.87,3534.02
  Mid-Layer 3 w5: v2(2947.99,4078.27) 2947.99,4099.38 2961.62,4113.01 2976.52,4113.01 3092.91,3996.61 3092.91,3901.61 2981.01,3789.71 2981.01,3496.23 2965.62,3480.84 v1(2965.62,3471.93) 2965.62,3465.96 2981.74,3449.84 2981.74,3121.1 2965.62,3104.98 v1(2965.62,3011.3)
  Bottom Layer w5: v1@2965.87,3011.54 U2.2@2965.87,3073.39
D01: IC2.85 U3.2 U4.2 | length 1467.6
  Top Layer w5: v2@5103.52,4076.1 IC2.85@5176.12,4076.1 ; v1@5121.32,3469.93 U3.2@5121.32,3531.83
  Mid-Layer 3 w5: v2(5103.44,4076.02) 5103.44,4097.14 5117.08,4110.77 5131.97,4110.77 5248.37,3994.37 5248.37,3899.37 5136.46,3787.47 5136.46,3493.98 5121.07,3478.6 v1(5121.07,3469.68) 5121.07,3463.72 5137.2,3447.6 5137.2,3118.86 5121.07,3102.74 v1(5121.07,3009.05)
  Bottom Layer w5: v1@5121.32,3009.3 U4.2@5121.32,3071.14
D1: IC1.86 J1.39 U1.4 U2.4 | length 2056.1
  Top Layer w5: v1(2902.63,3471.93) U1.4@2902.63,3533.77 ; v1@2903.36,3471.93 2903.36,3460 2916.81,3446.55 3007.63,3446.55 3354.83,3793.76 3354.83,3804.03 3369.41,3818.61 J1.39@3412.91,3818.61 ; v2@2968.23,4097.87 IC1.86@3020.51,4097.87
  Mid-Layer 3 w5: v1(2902.63,3011.3) 2902.63,3104.98 2918.75,3121.1 2918.75,3449.84 2902.63,3465.96 v1(2902.63,3471.93) 2902.63,3480.84 2918.75,3496.96 2918.75,3602.47 2927.91,3611.63 2927.91,3766.61 3047.91,3886.61 3047.91,4017.72 v2(2967.99,4097.64)
  Bottom Layer w5: v1@2902.87,3011.54 U2.4@2902.87,3073.39